# Altium PCB PROC106B.PcbDoc (part 2 of 8) (continued)
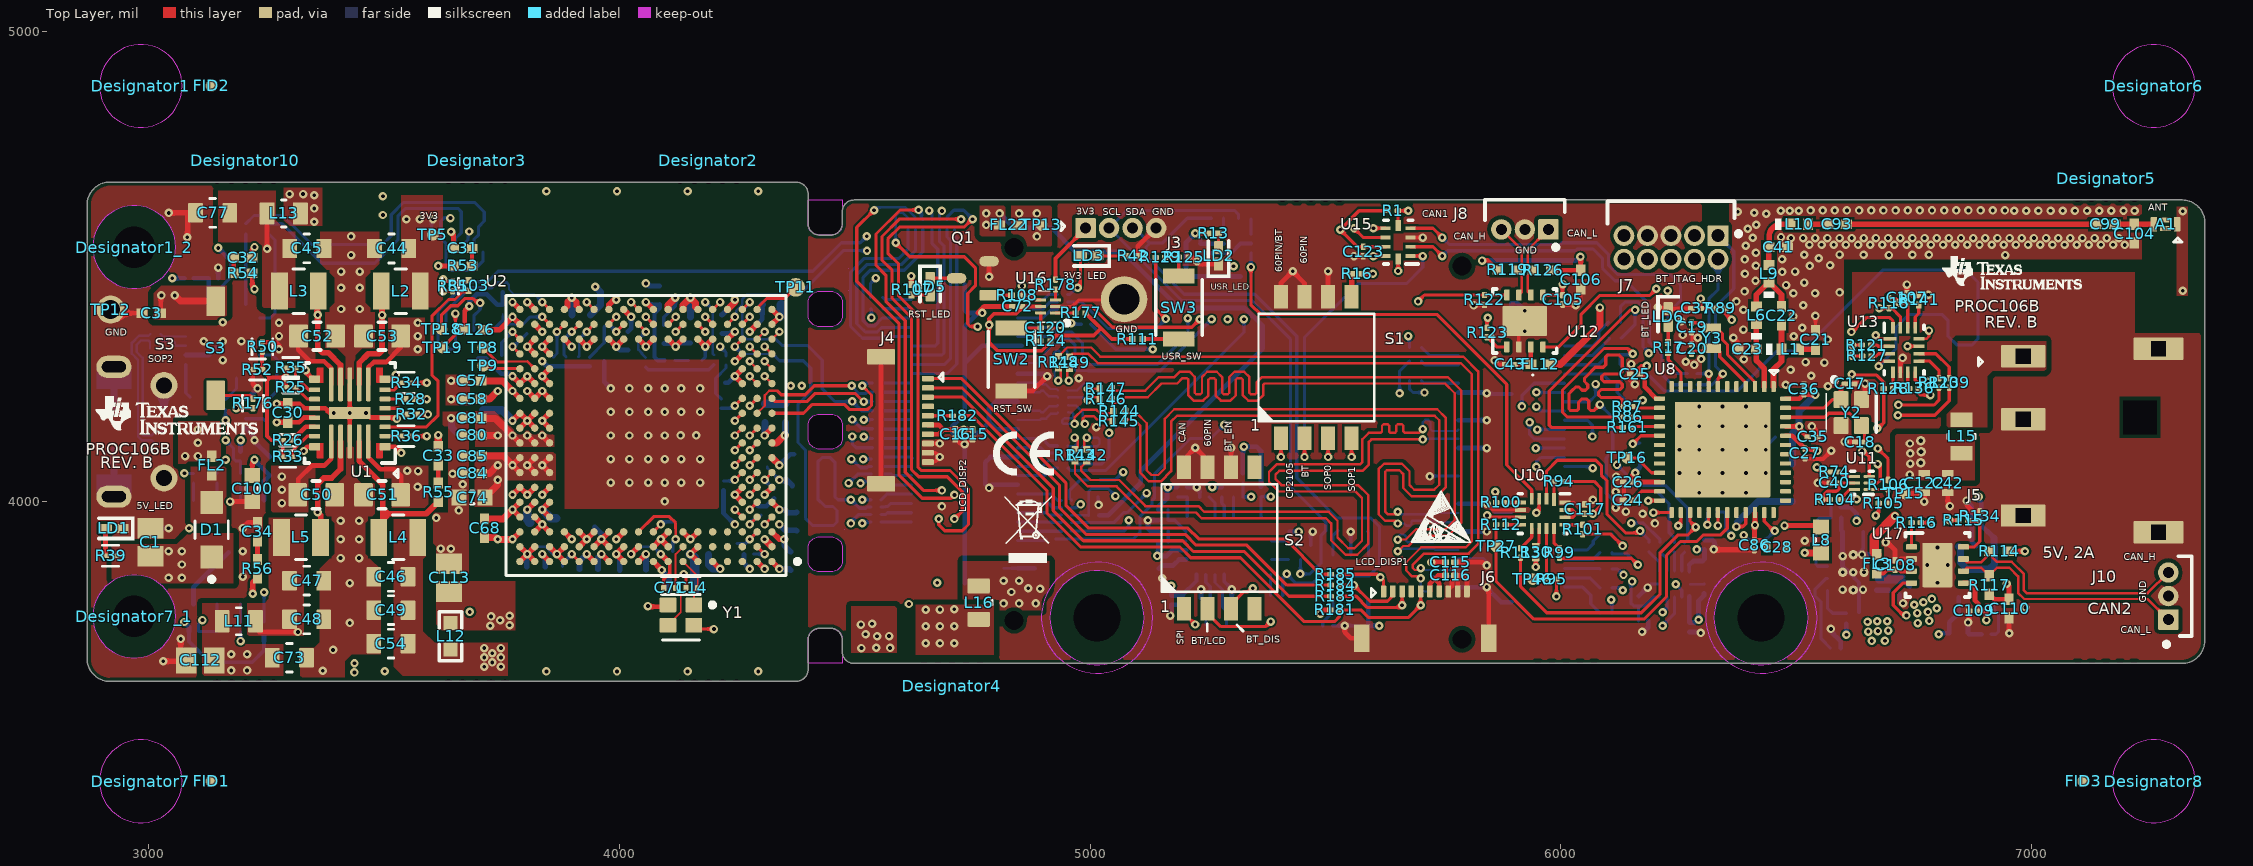
[diagram p0: Top Layer view]
## Part data (continued)
C99 C104: library part CMP-0086306-1, "CAP, CERM, 1.8 pF, 50 V,+/- 6%, C0G/NP0, 0402", Cap_Case=0402, Manufacturer=MuRata, TempCo=C0G/NP0, Tolerance_%=6%, Value2=50V, ValueDisplayed=1.8pF, AEC Category=Q200, AEC Grade=N/A, AEC Qualified=N, Cap_F=1.8pF, ComponentLink1Description="Datasheet link", ComponentLink1URL=https://search.murata.co.jp/Ceramy/image/img/A01X/G101/ENG/GJM1555C1H1R8BB01-01.pdf, CompType=Capacitor, MountType=SMT, PackageReference=0402, PartNumber=GJM1555C1H1R8BB01D, Polarized=N, RoHS=Y, SizeArea_mm2=0.5, SizeAreaWB_mm2=3, SizeX_mm=1, SizeY_mm=0.5, SizeZ_mm=0.6, TaMax_C=125°C, TaMin_C=-55°C, Technology=Ceramic, U/M=EA, VDC_V=50V
C106 C110: library part CMP-0006692-2, "CAP, CERM, 4700 pF, 50 V, +/- 10%, X7R, 0402", Cap_Case=0402, Manufacturer=MuRata, Supplier Part Number 1=490-1308-1-ND, TempCo=X7R, Tolerance_%=10%, Value1=Unknown, Value2=50V, ValueDisplayed=4700pF, AEC Category=Q200, AEC Qualified=?, Cap_F=4.7nF, ComponentLink1Description="Datasheet link", ComponentLink1URL=http://search.murata.co.jp/Ceramy/PnsearchViewAction.do?HnOFG=ON&HnNFG=ON&SEL_CNT=50&sLang=en&sKey=GRM155R71H472KA01D&x=9&y=9&search=startwith, CompType=Capacitor, LatestRevisionDate=2017-03-09, MountType=SMT, PackageReference=0402, PartNumber=GRM155R71H472KA01D, Polarized=N, Published=2008-06-19, Publisher="Texas Instruments", RoHS=Y, SizeArea_mm2=0.5, SizeAreaWB_mm2=3, SizeX_mm=1, SizeY_mm=0.5, SizeZ_mm=0.6, Supplier 1=Digi-Key, Supplier 2=Newark, Supplier 3=Mouser, Supplier Part Number 2=14T3289, Supplier Part Number 3=81-GRM155R71H472KA01, TaMax_C=125°C, TaMin_C=-55°C, Technology=Ceramic, U/M=EA, VDC_V=50V
D1: library part CMP-0090508-1, "Diode Schottky 30V 2A Surface Mount SOD-123FL", Digikey Part Number=NRVB230LSFT1GOSCT-ND, Forward Current=2A, Manufacturer="ON Semiconductor", Max Surge Forward Current=40A, Mouser Part Number=863-NRVB230LSFT1G, Operating Temperature Range="-55°C to +125°C", Peak Reverse Current=1mA, AEC Grade="Grade 1", AEC Qualified=Yes, ComponentLink1Description=Datasheet, ComponentLink1URL=https://www.onsemi.com/pub/Collateral/MBR230LSFT1-D.PDF, DataSheet=https://www.onsemi.com/pub/Collateral/MBR230LSFT1-D.PDF, Datasheet Path=datasheets/Diode-NRVB230LSFT1G.pdf, Digikey Description="DIODE SCHOTTKY 30V 2A SOD123FL", helpURL=https://upverter.com/upn/revision/b5ae5ffadf60f179/, Lead Free=Yes, Mouser Description="Schottky Diodes & Rectifiers 2A 30V SCHOTTKY", PackageReference=SOD-123F, Part Number=NRVB230LSFT1G, PartNumber=NRVB230LSFT1G, RoHS=TRUE, SizeZ_mm=0.98mm, Standoff Height=0mm, TJmax_C=125°C, Vf_V=30V, Vr_V=30V
FID1 FID2 FID3 FID4 FID5 FID6: library part CMP-0077181-1, "Fiducial mark.  There is nothing to buy or mount.", Manufacturer=N/A, ClassName=FiducialMark, CompType=Fiducial, MountType=N/A, PackageReference=N/A, PartNumber=N/A
FL2 FL3 FL12 FL22: library part CMP-0078934-1, "Inductor, Ferrite Bead, Ferrite, 2.2 A, 0.035 ohm, AEC-Q200 Grade 1, SMD", Manufacturer=MuRata, Supplier Part Number 1=490-16506-1-ND, Value1="0.035 ohm", Value2=2.2A, AEC Category=Q200, AEC Grade=1, AEC Qualified=Y, ComponentLink1Description="Datasheet link", ComponentLink1URL=https://www.murata.com/en-us/products/productdata/8796748677150/QNFA9118.pdf, CompType=Inductor, DCR_ohm=0.035, Imax_A=2.2A, LatestRevisionDate=2017-12-07, Material=Ferrite, MountType=SMT, PackageReference=0402, PartNumber=BLM15PD300SZ1D, Published=2008-06-26, Publisher="Texas Instruments", RoHS=Y, SizeArea_mm2=0.5, SizeAreaWB_mm2=3, SizeX_mm=1, SizeY_mm=0.5, SizeZ_mm=0.6, Supplier 1=Digi-Key, Supplier 2=Mouser, Supplier Part Number 2=81-BLM15PD300SZ1D, Technology="Ferrite Bead"
J1: library part CMP-0055293-1, "Connector, Receptacle, Micro-USB Type B, R/A, Bottom Mount SMT", Manufacturer=Molex, Supplier Part Number 1=WM1399CT-ND, CNHeader=FALSE, ComponentLink1Description="Datasheet URL", ComponentLink1URL=http://www.molex.com/pdm_docs/sd/1050170001_sd.pdf, CompType=USB, CT=TRUE, Gender=Female, Green_EU RoHS=Passed, Green_EU RoHS-2=Passed, Green_Lifecycle=Active, Green_REACh=Passed, LatestRevisionDate=26/05/2017, MountType=SMT, PackageReference="Micro USB receptacle", PartNumber=105017-0001, Publisher="Texas Instruments", RoHS=Y, Supplier 1=Digi-Key, Supplier 2=Newark, Supplier 3=Mouser, Supplier Part Number 2=78R1699, Supplier Part Number 3=538-105017-0001
J2 J11: library part CMP-0075524-1, "Receptacle, 0.5 mm, 30x2, Gold, TH", Color=Black, Manufacturer=Samtec, Supplier Part Number 1=SAM8180-ND, CNHeader=False, ComponentLink1Description="Datasheet URL", ComponentLink1URL=http://www.samtec.com/ftppub/cpdf/QSH-XXX-01-X-D-XX-MKT.pdf, CompType=Receptacle, ContactFinish=Gold, CT=False, Gender=Female, Green_EU RoHS="Passed with Exemption", Green_EU RoHS-2=Passed, Green_Lifecycle=Active, Green_REACh=Passed, LatestRevisionDate=2017-07-12, MountType=SMT, Orientation=Vertical, PackageReference="Receptacle, 0.5 mm, 30x2, TH", PartNumber=QSH-030-01-L-D-A, PinCount=60, Pitch_mm=0.5, Publisher="Texas Instruments", RoHS=Y, Row_Count=2, RowSpacing_mm=5.73, Shrouded=N, Supplier 1=Digi-Key, Supplier 2=Newark, Supplier 3=Farnell, Supplier Part Number 2=19M9181, Supplier Part Number 3=1667876
J3: library part CMP-0087187-1, "CONN HDR 1.27MM R/A AU 4POS", Current_A=1A, Manufacturer="Harwin Inc.", ComponentLink1Description=Datasheet, ComponentLink1URL=https://cdn.harwin.com/pdfs/M50-393.pdf, ContactFinish=Gold, PackageReference=HDR4, PartNumber=M50-3930442, PinCount=4, RoHS=TRUE, Row_Count=1, Symbol Name=SYM-M50-3930442
J4 J6: library part CMP-0086453-1, "Easy-On™ Type FFC/FPC Connector, Right-Angle, Surface Mount, ZIF, Bottom Contact Style, 1.10mm Mated Height, 10 Circuits", Manufacturer=Molex, ComponentLink1Description=Datasheet, ComponentLink1URL=http://www.molex.com/pdm_docs/sd/514411093_sd.pdf, PackageReference=CONN_SMD_FFC, PartNumber=51441-1093, RoHS=TRUE, Symbol Name=SYM-51441-1093
J5: library part CMP-0081851-1, "DC Power Jack, R/A, TH", Color=Black, Current_A=5A, Manufacturer="CUI Inc.", Supplier Part Number 1=CP-051AH-ND, Voltage_V=24V, Cert_UL=Y, ComponentLink1Description="Datasheet URL", ComponentLink1URL=https://www.cui.com/product/resource/pj-051ah.pdf, CompType=Jack, Gender=Male, MountType=TH, Orientation=R/A, PackageReference="DC Power Jack, R/A, TH", PartNumber=PJ-051AH, PinCount=3, RoHS=Y, Supplier 1=Digi-Key, Supplier 2=Mouser, Supplier Part Number 2=490-PJ-051AH
J7: library part CMP-0087786-1, "CONN HEADER R/A 10POS 1.27MM", Current_A=1A, Manufacturer=Sullins, ComponentLink1Description=Datasheet, ComponentLink1URL=https://s3.amazonaws.com/catalogspreads-pdf/PAGE94-95%20.050%20MALE%20HDR%20ST%20RA%20SMT.pdf, ContactFinish=Gold, PackageReference=HDR10, PartId=1, PartNumber=GRPB052MWCN-RC, PinCount=10, RoHS=TRUE, Row_Count=2, Symbol Name=SYM-GRPB052MWCN-RC
J8 J10: library part CMP-0087785-1, "CONN HEADER R/A 3POS 1.27MM", Current_A=1A, Manufacturer=Harwin, ComponentLink1Description=Datasheet, ComponentLink1URL=https://cdn.harwin.com/pdfs/M50-393.pdf, ContactFinish=Gold,Nickel, PackageReference=HDR3, PartNumber=M50-3930342, PinCount=3, RoHS=TRUE, Row_Count=1, Symbol Name=SYM-M50-3930342
L1 L6: library part CMP-0058626-1, "Inductor, Multilayer, Air Core, 2.4 nH, 0.3 A, 0.15 ohm, SMD", Manufacturer=MuRata, Supplier Part Number 1=LQG15HS2N4S02D-ND, Value1="0.15 ohm", Value2=0.3A, ValueDisplayed=2.4nH, AEC Category=Q200, AEC Qualified=?, ComponentLink1Description="Datasheet link", ComponentLink1URL=http://search.murata.co.jp/Ceramy/image/img/PDF/ENG/L0075S0083LQG15HS.pdf, CompType=Inductor, DCR_ohm=0.15, Green_EU RoHS=Passed, Green_EU RoHS-2=Incomplete, Green_Lifecycle=Active, Green_REACh=Passed, Imax_A=300mA, Ind_H=2.4nH, Irms="0.3A @ C rise", Isat="0.3A @ % inductance drop", LatestRevisionDate=2017-06-02, Material="Air Core", MountType=SMT, PackageReference="0402 polarized", PartNumber=LQG15HS2N4S02D, Published=2008-06-26, Publisher="Texas Instruments", RoHS=Y, SizeArea_mm2=0.5, SizeAreaWB_mm2=3, SizeX_mm=1, SizeY_mm=0.5, SizeZ_mm=0.55, Supplier 1=Digi-Key, Supplier 2=Mouser, Supplier Part Number 2=81-LQG15HS2N4S02D, Technology=Multilayer
L2 L3 L4 L5: library part CMP-0058944-1, "Inductor, Shielded, 470 nH, 4.7 A, 0.021 ohm, SMD", Manufacturer="MuRata Toko", Value1="0.021 ohm", Value2=4.7A, ValueDisplayed=470nH, AEC Category=Q200, AEC Qualified=?, ComponentLink1Description="Datasheet link", ComponentLink1URL="https://sps06.itg.ti.com/sites/KMS/crossdivteams/altium/docs/ComponentDatasheets/DFE252012PD_Catalouge_20140701 with AEC-Q200.pdf", CompType=Inductor, DCR_ohm=0.021, Imax_A=4.7A, Ind_H=470nH, Irms="4.7A @ 40C rise", Isat="6.1A @ 30% inductance drop", LatestRevisionDate=2017-06-02, Material=?, MountType=SMT, PackageReference=1008, PartNumber=DFE252012PD-R47M, Published=2008-06-26, Publisher="Texas Instruments", RoHS=Y, SizeArea_mm2=5, SizeAreaWB_mm2=10.5, SizeX_mm=2.5, SizeY_mm=2, SizeZ_mm=1.2, Technology=Shielded
L7: library part CMP-0062727-1, "Inductor, Multilayer, Ferrite, 6.8 uH, 0.11 A, 0.25 ohm, SMD", Manufacturer=TDK, Supplier Part Number 1=445-6761-1-ND, Value1="0.25 ohm", Value2=0.11A, ValueDisplayed=6.8uH, AEC Category=Q200, AEC Qualified=?, ComponentLink1Description="Datasheet link", ComponentLink1URL=http://product.tdk.com/en/catalog/datasheets/inductor_commercial_decoupling_mlz_en.pdf, CompType=Inductor, DCR_ohm=0.25, Green_EU RoHS=Passed, Green_EU RoHS-2=Incomplete, Green_Lifecycle=Active, Green_REACh=Passed, Imax_A=110mA, Ind_H=6.8µH, Irms="0.55A @ 20C rise", Isat="0.11A @ 50% inductance drop", LatestRevisionDate=2017-06-02, Material=Ferrite, MountType=SMT, PackageReference=0805, PartNumber=MLZ2012N6R8LT000, Published=2008-06-26, Publisher="Texas Instruments", RoHS=Y, SizeArea_mm2=2.5, SizeAreaWB_mm2=6.75, SizeX_mm=2, SizeY_mm=1.25, SizeZ_mm=1.45, Supplier 1=Digi-Key, Technology=Multilayer
L8: library part CMP-0003349-2, "Ferrite Bead, 1500 ohm @ 100 MHz, 0.5 A, 0603", Manufacturer=MuRata, Supplier Part Number 1=490-5216-1-ND, Value1="0.5 ohm", Value2=0.5A, ValueDisplayed="1500 ohm", ComponentLink1Description="Datasheet link", ComponentLink1URL=http://search.murata.co.jp/Ceramy/image/img/PDF/ENG/L0110S0101BLM18H.pdf, CompType="Ferrite Bead", DCR_ohm=0.5, Imax_A=500mA, LatestRevisionDate=2017-03-09, MountType=SMT, PackageReference=0603, PartNumber=BLM18HE152SN1D, Published=2014-04-30, Publisher="Texas Instruments", RoHS=Y, SizeArea_mm2=1.28, SizeAreaWB_mm2=4.68, SizeX_mm=1.6, SizeY_mm=0.8, SizeZ_mm=1, Supplier 1=Digi-Key, Supplier 2=Newark, Supplier 3=Mouser, Supplier Part Number 2=87X8574, Supplier Part Number 3=81-BLM18HE152SN1D, Ztyp@1GHz_Ohm=1.5k, ZTyp@100MHz_Ohm=1.5k
L9 L10: library part CMP-0058624-1, "Inductor, Multilayer, Air Core, 2 nH, 0.3 A, 0.1 ohm, SMD", Manufacturer=MuRata, Supplier Part Number 1=490-6569-1-ND, Value1="0.1 ohm", Value2=0.3A, ValueDisplayed=2nH, AEC Category=Q200, AEC Qualified=?, ComponentLink1Description="Datasheet link", ComponentLink1URL=http://search.murata.co.jp/Ceramy/image/img/PDF/ENG/L0075S0083LQG15HS.pdf, CompType=Inductor, DCR_ohm=0.1, Green_EU RoHS=Passed, Green_EU RoHS-2=Incomplete, Green_Lifecycle=Active, Green_REACh=Passed, Imax_A=300mA, Ind_H=2nH, Irms="0.3A @ C rise", Isat="0.3A @ % inductance drop", LatestRevisionDate=2017-06-02, Material="Air Core", MountType=SMT, PackageReference="0402 polarized", PartNumber=LQG15HS2N0S02D, Published=2008-06-26, Publisher="Texas Instruments", RoHS=Y, SizeArea_mm2=0.5, SizeAreaWB_mm2=3, SizeX_mm=1, SizeY_mm=0.5, SizeZ_mm=0.55, Supplier 1=Digi-Key, Supplier 2=Mouser, Supplier Part Number 2=81-LQG15HS2N0S02D, Technology=Multilayer
L11 L13 L15 L16: library part CMP-0089947-1, "100 Ohms @ 100MHz 1 Power Line Ferrite Bead 0805 (2012 Metric) 4A 20mOhm", Digikey Part Number=445-172903-1-ND, Impedance At Frequency="100O @ 100MHz", Manufacturer=TDK, Mouser Part Number=810-MPZ2012S101ATD25, Operating Temperature Range="-55°C to +125°C", Test Frequency=100MHz, Tolerance_%=25%, AEC Grade="Grade 1", AEC Qualified=Yes, ComponentLink1Description=Datasheet, ComponentLink1URL=https://product.tdk.com/info/en/catalog/datasheets/beads_automotive_power_mpz2012_en.pdf, DataSheet=https://product.tdk.com/info/en/catalog/datasheets/beads_automotive_power_mpz2012_en.pdf, Datasheet Path=datasheets/FBead-MPZ2012S101ATD25.pdf, DCR_ohm=0.02, Digikey Description="FERRITE BEAD 100 OHM 0805 1LN", helpURL=https://upverter.com/upn/revision/572b4800072287ce/, Imax_A=4A, Lead Free=Yes, Material=Ferrite, Mouser Description="Ferrite Beads 0805 100ohms@100MHz 4.0A AEC-Q200", PackageReference=0805, Part Number=MPZ2012S101ATD25, PartNumber=MPZ2012S101ATD25, RoHS=TRUE, SizeZ_mm=1.05mm, Supplier 1=Digikey, Supplier 2=Mouser, Supplier Part Number 1=445-172903-1-ND, Supplier Part Number 2=810-MPZ2012S101ATD25
L12 L14: library part CMP-0077879-1, "Ferrite Bead, 120 ohm @ 100 MHz, 1.9 A, 0603", Manufacturer=MuRata, Supplier Part Number 1=490-13261-1-ND, Value1="0.04 ohm", Value2=1.9A, ValueDisplayed="120 ohm", ComponentLink1Description="Datasheet link", ComponentLink1URL=http://www.murata.com/en-global/products/productdata/8796737273886/QNFA9101.pdf, CompType="Ferrite Bead", DCR_ohm=0.04, Imax_A=1.9A, MountType=SMT, PackageReference=0603, PartNumber=BLM18KG121TH1D, RoHS=Y, SizeArea_mm2=1.28, SizeAreaWB_mm2=4.68, SizeX_mm=1.6, SizeY_mm=0.8, SizeZ_mm=1.0, Supplier 1=Digi-Key, Supplier 2=Mouser, Supplier Part Number 2=81-BLM18KG121TH1D, ZTyp@100MHz_Ohm=120
LD1 LD2 LD3 LD4 LD5 LD6: library part CMP-0067682-2, "LED, Green, SMD", Color=Green, Manufacturer=Kingbright, Power_TotalModule=75mW, Value1=0.075W, Value2=2.1V, Angle=120.0, ComponentLink1Description="Datasheet link", ComponentLink1URL=http://www.kingbrightusa.com/images/catalog/SPEC/APHHS1005CGCK.pdf, CompType=LED, Io_A=20mA, Ir_A=10µA, MountType=SMT, PackageReference=0402, PartNumber=APHHS1005CGCK, RoHS=Y, SizeArea_mm2=0.5, SizeAreaWB_mm2=3.0, SizeX_mm=1.0, SizeY_mm=0.5, SizeZ_mm=0.6, TJmax_C=85°C, TYPE=?, Vf_V=2.1V, Vr_V=5V
Q1: library part CMP-0087176-1, "MOSFET N-CH 100V 170MA SOT23-3", Manufacturer="Diodes Incorporated", AEC Qualified=No, ChMode=False, ComponentLink1Description=Datasheet, ComponentLink1URL=https://www.diodes.com/assets/Datasheets/ds30366.pdf, IdsMax_A=170mA, PackageReference=SOT23, PartNumber=BSS123-7-F, Rdson45_ohm=6, RoHS=TRUE, SizeZ_mm=1.1mm, Symbol Name=SYM-BSS123-7-F, VdsMax_V=100V, Vgs_V=20V
R1 R18 R20 R77 R78 R80 R81 R82 R93 R94 R95 R96 R98 R104 R110 R118 R122 R124 R125 R134 R177 R178: library part CMP-0088002-1, "10 kOhms ±0.5% 0.05W, 1/20W Chip Resistor 0201 (0603 Metric)  Thin Film", Manufacturer=Susumu, Power_W=50mW, TempCo=25ppm/°C, Tolerance_%=0.5%, AEC Qualified=No, ComponentLink1Description=Datasheet, ComponentLink1URL=https://www.susumu.co.jp/common/pdf/n_catalog_partition05_en.pdf, PackageReference=0201, PartNumber=RR0306P-103-D, Res_ohm=10k, RoHS=TRUE, SizeZ_mm=0.26mm, Symbol Name=SYM-RR0306P-103-D, Technology="Thin Film", VDC_V=15V
R2 R28 R31 R32 R41 R60 R61 R62 R63 R103: library part CMP-0065361-1, "RES, 0, 5%, .05 W, AEC-Q200 Grade 0, 0201", Manufacturer=Panasonic, Power_W=50mW, Supplier Part Number 1=P15979CT-ND, TempCo=ppm/C, Tolerance_%=5%, Value2=.05W, Value_Code=0000, ValueDisplayed=0, AEC Category=Q200, AEC Grade=0, AEC Qualified=Y, ComponentLink1Description="Datasheet link", ComponentLink1URL=https://industrial.panasonic.com/cdbs/www-data/pdf/RDA0000/AOA0000C281.pdf, CompType=Resistor, EIA_Code=E24, Green_EU RoHS=Incomplete, Green_EU RoHS-2=Incomplete, Green_Lifecycle="Not Set", Green_REACh=Incomplete, LatestRevisionDate=2017-06-05, MountType=SMT, PackageReference=0201, PartNumber=ERJ-1GN0R00C, Published=2016-10-14, Publisher="Texas Instruments", Res_ohm=0, RoHS=Y, SizeArea_mm2=0.18, SizeX_mm=0.6, SizeY_mm=0.3, SizeZ_mm=0.26, Supplier 1=Digi-Key, Supplier 2=Newark, Supplier 3=Mouser, Supplier Part Number 2=51W5934, Supplier Part Number 3=667-ERJ-1GN0R00C, Technology="Thick Film", U/M=EA, Value1=5%
R3 R7 R8 R19 R21 R22 R23 R35 R36 R43 R44 R45 R59 R65 R83 R84 R85: library part CMP-0090084-1, "RES SMD 10K OHM 0.1% 1/20W 0201", Digikey Part Number=P10KBXCT-ND, Manufacturer=Panasonic, Mouser Part Number=667-ERA-1AEB103C, Operating Temperature Range="-55°C to +155°C", Power_W=50mW, TempCo=25ppm/°C, Tolerance_%=0.1%, AEC Qualified=No, ComponentLink1Description=Datasheet, ComponentLink1URL=https://industrial.panasonic.com/cdbs/www-data/pdf/RDM0000/AOA0000C307.pdf, DataSheet=https://industrial.panasonic.com/cdbs/www-data/pdf/RDM0000/AOA0000C307.pdf, Datasheet Path=datasheets/Res-ERA-1AEB103C.pdf, Digikey Description="RES SMD 10K OHM 0.1% 1/20W 0201", helpURL=https://upverter.com/upn/revision/ad75fa42d92ba837/, Lead Free=Yes, PackageReference=0201, Part Number=ERA-1AEB103C, PartNumber=ERA-1AEB103C, Res_ohm=10k, RoHS=TRUE, Series=ERA, SizeZ_mm=0.26mm, Supplier 1=Digikey, Supplier 2=Mouser, Supplier Part Number 1=P10KBXCT-ND, Supplier Part Number 2=667-ERA-1AEB103C, Technology="Thin Film", VDC_V=25V
R4 R5 R9 R37: library part CMP-0090298-1, "100 kOhms ±1% 0.05W, 1/20W Chip Resistor 0201 (0603 Metric) Automotive AEC-Q200 Thick Film", Digikey Part Number=P122655CT-ND, Manufacturer="Panasonic Electronic Components", Mouser Part Number=667-ERJ-1GNF1003C, Operating Temperature Range="-55°C to +125°C", Power_W=50mW, TempCo=200ppm/°C, Tolerance_%=1%, AEC Grade="Grade 1", AEC Qualified=Yes, ComponentLink1Description=Datasheet, ComponentLink1URL=https://industrial.panasonic.com/cdbs/www-data/pdf/RDA0000/AOA0000C304.pdf, DataSheet=https://industrial.panasonic.com/cdbs/www-data/pdf/RDA0000/AOA0000C304.pdf, Datasheet Path=datasheets/Res-ERJ-1GNF1003C.pdf, Digikey Description="RES SMD 100K OHM 1% 1/20W 0201", helpURL=https://upverter.com/upn/revision/52b354a5d57be433/, Lead Free=Yes, Mouser Description="Thick Film Resistors 0201 100Kohm 1% HalogenFree AEC-Q200", PackageReference=0201, Part Number=ERJ-1GNF1003C, PartNumber=ERJ-1GNF1003C, Res_ohm=100k, RoHS=TRUE, Series=ERJ, SizeZ_mm=0.26mm, Supplier 1=Digikey, Supplier 2=Mouser, Supplier Part Number 1=P122655CT-ND, Supplier Part Number 2=667-ERJ-1GNF1003C, Technology="Thick Film", VDC_V=25V
R6 R46 R47 R48 R49: library part CMP-0089575-2, "Res Thick Film 0201 33.2 Ohm 1% 0.05W(1/20W) ±200ppm/C Pad SMD Automotive T/R", Digikey Part Number=P122945CT-ND, Manufacturer=Panasonic, Mouser Part Number=667-ERJ-1GNF33R2C, Operating Temperature Range="-55°C to +125°C", Power_W=50mW, TempCo=200ppm/°C, Tolerance_%=1%, AEC Grade="Grade 1", AEC Qualified=Yes, ComponentLink1Description=Datasheet, ComponentLink1URL=https://industrial.panasonic.com/cdbs/www-data/pdf/RDA0000/AOA0000C304.pdf, DataSheet=https://industrial.panasonic.com/cdbs/www-data/pdf/RDA0000/AOA0000C304.pdf, Datasheet Path=datasheets/Res-ERJ-1GNF33R2C.pdf, Digikey Description="RES SMD 33.2 OHM 1% 1/20W 0201", helpURL=https://upverter.com/upn/revision/804e6f7ea13c6b2c/, Lead Free=Yes, Mouser Description="Thick Film Resistors - SMD 0201 33.2ohm 1% HalogenFree AEC-Q200", PackageReference=0201, Part Number=ERJ-1GNF33R2C, PartNumber=ERJ-1GNF33R2C, Res_ohm=33.2, RoHS=TRUE, Series=ERJ, SizeZ_mm=0.26mm, Supplier 1=Digikey, Supplier 2=Mouser, Supplier Part Number 1=P122945CT-ND, Supplier Part Number 2=667-ERJ-1GNF33R2C, Technology="Thick Film", VDC_V=25V
R10 R11 R88 R130 R132 R133 R135 R137 R138 R140: library part CMP-0087185-1, "RES SMD 20 OHM 1% 1/20W 0201", Manufacturer=Yageo, Power_W=50mW, TempCo=200ppm/°C, Tolerance_%=1%, AEC Grade="Grade 0", AEC Qualified=Yes, ComponentLink1Description=Datasheet, ComponentLink1URL=http://www.yageo.com/NewPortal/yageodocoutput?fileName=/pdf/R-Chip/PYu-AC_51_RoHS_L_6.pdf, PackageReference=0201, PartNumber=AC0201FR-0720RL, Res_ohm=20, RoHS=TRUE, SizeZ_mm=0.26mm, Symbol Name=SYM-AC0201FR-0720RL, Technology="Thick Film", VDC_V=25V
R12 R14 R30 R51 R57 R58 R66 R67 R68 R70 R71 R72 R73 R74 R76 R86 R87 R90 R91 R97 R99 R100 R101 R102 R105 R106 R112 R113 R115 R116 R120 R121 R123 R127 R128 R129 R131 R136 R139 R142 R143 R144 R145 R146 R147 R148 R149 R150 R151 R152 R153 R154 R155 R157 R160 R161 R166 R168 R182 R183 R184 R185 R186 R187 R188 R189 R190: library part CMP-0086442-2, "RES SMD 0 OHM JUMPER 1/20W 0201", Manufacturer=Yageo, Power_W=50mW, TempCo=200ppm/°C, Tolerance_%=5%, AEC Qualified=No, ComponentLink1Description=Datasheet, ComponentLink1URL=http://www.yageo.com/documents/recent/PYu-RC_Group_51_RoHS_L_10.pdf, PackageReference="0201 (0603 Metric)", PartNumber=RC0201JR-070RL, Res_ohm=0, RoHS=TRUE, SizeZ_mm=0.26mm, Technology="Thick Film", VDC_V=25V
R13 R17 R42 R111: library part CMP-0027072-1, "RES, 220, 5%, 0.05 W, 0201", Manufacturer="Yageo America", Power_W=50mW, Supplier Part Number 1=311-220NCT-ND, TempCo="200 ppm/C", Tolerance_%=5%, Value2=0.05W, Value_Code=220R, ValueDisplayed=220, AEC Category=Q200, AEC Grade=N/A, AEC Qualified=N, ComponentLink1Description="Datasheet link", ComponentLink1URL=http://www.yageo.com/documents/recent/PYu-RC_Group_51_RoHS_L_5.pdf, CompType=Resistor, EIA_Code=E24, LatestRevisionDate=2017-03-09, MountType=SMT, PackageReference=0201, PartNumber=RC0201JR-07220RL, Published=2016-10-14, Publisher="Texas Instruments", Res_ohm=220, RoHS=Y, SizeArea_mm2=0.18, SizeX_mm=0.6, SizeY_mm=0.3, SizeZ_mm=0.26, Supplier 1=Digi-Key, Supplier 2=Mouser, Supplier Part Number 2=603-RC0201JR-07220RL, Technology="Thick Film", U/M=EA, Value1=5%, VDC_V=25V
R15: library part CMP-0090501-1, "220 Ohms ±5% 0.05W, 1/20W Chip Resistor 0201 (0603 Metric) Automotive AEC-Q200 Thick Film", Digikey Part Number=P123276CT-ND, Manufacturer="Panasonic Electronic Components", Mouser Part Number=667-ERJ-1GNJ221C, Operating Temperature Range="-55°C to +125°C", Power_W=50mW, TempCo=200ppm/°C, Tolerance_%=5%, AEC Grade="Grade 1", AEC Qualified=Yes, ComponentLink1Description=Datasheet, ComponentLink1URL=https://industrial.panasonic.com/cdbs/www-data/pdf/RDA0000/AOA0000C301.pdf, DataSheet=https://industrial.panasonic.com/cdbs/www-data/pdf/RDA0000/AOA0000C301.pdf, Datasheet Path=datasheets/Res-ERJ-1GNJ221C.pdf, Digikey Description="RES SMD 220 OHM 5% 1/20W 0201", helpURL=https://upverter.com/upn/revision/fb526d048c4bdd68/, Lead Free=Yes, Mouser Description="Thick Film Resistors - SMD 0201 220ohms 5% Thick Film Resistor", PackageReference=0201, Part Number=ERJ-1GNJ221C, PartNumber=ERJ-1GNJ221C, Res_ohm=220, RoHS=TRUE, Series=ERJ, SizeZ_mm=0.26mm, Supplier 1=Digikey, Supplier 2=Mouser, Supplier Part Number 1=P123276CT-ND, Supplier Part Number 2=667-ERJ-1GNJ221C, Technology="Thick Film", VDC_V=25V
R16: library part CMP-0027880-1, "RES, 7.87 k, 1%, 0.05 W, 0201", Manufacturer="Yageo America", Power_W=50mW, Supplier Part Number 1=YAG2807CT-ND, TempCo="200 ppm/C", Tolerance_%=1%, Value2=0.05W, Value_Code=7k87, ValueDisplayed=7.87k, AEC Category=Q200, AEC Grade=N/A, AEC Qualified=N, ComponentLink1Description="Datasheet link", ComponentLink1URL=http://www.yageo.com/documents/recent/PYu-RC_Group_51_RoHS_L_5.pdf, CompType=Resistor, EIA_Code=E96, LatestRevisionDate=2017-03-09, MountType=SMT, PackageReference=0201, PartNumber=RC0201FR-077K87L, Published=2016-10-14, Publisher="Texas Instruments", Res_ohm=7.87k, RoHS=Y, SizeArea_mm2=0.18, SizeX_mm=0.6, SizeY_mm=0.3, SizeZ_mm=0.26, Supplier 1=Digi-Key, Supplier 2=Mouser, Supplier Part Number 2=603-RC0201FR-077K87L, Technology="Thick Film", U/M=EA, Value1=1%, VDC_V=25V
R24: library part CMP-0087183-1, "RES SMD 200 OHM 1% 1/5W 0402", Manufacturer="Vishay Dale", Power_W=200mW, TempCo=100ppm/°C, Tolerance_%=1%, AEC Grade="Grade 0", AEC Qualified=Yes, ComponentLink1Description=Datasheet, ComponentLink1URL=http://www.vishay.com/docs/20043/crcwhpe3.pdf, PackageReference=0402, PartNumber=CRCW0402200RFKEDHP, Res_ohm=200, RoHS=TRUE, SizeZ_mm=0.4mm, Symbol Name=SYM-CRCW0402200RFKEDHP, Technology="Thick Film", VDC_V=50V
R25 R26 R33 R34 R40 R64: library part CMP-0090497-1, "4.99 kOhms ±1% 0.05W, 1/20W Chip Resistor 0201 (0603 Metric) Automotive AEC-Q200 Thick Film", Digikey Part Number=P123046CT-ND, Manufacturer="Panasonic Electronic Components", Mouser Part Number=667-ERJ-1GNF4991C, Operating Temperature Range="-55°C to +125°C", Power_W=50mW, TempCo=200ppm/°C, Tolerance_%=1%, AEC Grade="Grade 1", AEC Qualified=Yes, ComponentLink1Description=Datasheet, ComponentLink1URL=https://industrial.panasonic.com/cdbs/www-data/pdf/RDA0000/AOA0000C304.pdf, DataSheet=https://industrial.panasonic.com/cdbs/www-data/pdf/RDA0000/AOA0000C304.pdf, Datasheet Path=datasheets/Res-ERJ-1GNF4991C.pdf, Digikey Description="RES SMD 4.99K OHM 1% 1/20W 0201", helpURL=https://upverter.com/upn/revision/2e32c60b077f8dd5/, Lead Free=Yes, Mouser Description="Thick Film Resistors - SMD 0201 4.99Kohm 1% HalogenFree AEC-Q200", PackageReference=0201, Part Number=ERJ-1GNF4991C, PartNumber=ERJ-1GNF4991C, Res_ohm=4.99k, RoHS=TRUE, Series=ERJ, SizeZ_mm=0.26mm, Supplier 1=Digikey, Supplier 2=Mouser, Supplier Part Number 1=P123046CT-ND, Supplier Part Number 2=667-ERJ-1GNF4991C, Technology="Thick Film", VDC_V=25V
R27 R107 R108: library part CMP-0027137-1, "RES, 510, 5%, 0.05 W, 0201", Manufacturer="Yageo America", Power_W=50mW, Supplier Part Number 1=YAG2907CT-ND, TempCo="200 ppm/C", Tolerance_%=5%, Value2=0.05W, Value_Code=510R, ValueDisplayed=510, AEC Category=Q200, AEC Grade=N/A, AEC Qualified=N, ComponentLink1Description="Datasheet link", ComponentLink1URL=http://www.yageo.com/documents/recent/PYu-RC_Group_51_RoHS_L_5.pdf, CompType=Resistor, EIA_Code=E24, LatestRevisionDate=2017-03-09, MountType=SMT, PackageReference=0201, PartNumber=RC0201JR-07510RL, Published=2016-10-14, Publisher="Texas Instruments", Res_ohm=510, RoHS=Y, SizeArea_mm2=0.18, SizeX_mm=0.6, SizeY_mm=0.3, SizeZ_mm=0.26, Supplier 1=Digi-Key, Supplier 2=Mouser, Supplier Part Number 2=603-RC0201JR-07510RL, Technology="Thick Film", U/M=EA, Value1=5%, VDC_V=25V
R29 R89 R92: library part CMP-0027261-3, "RES, 100 k, 1%, 0.05 W, 0201", Manufacturer=Vishay-Dale, Power_W=50mW, Supplier Part Number 1=541-100KAABCT-ND, TempCo="100 ppm/C", Tolerance_%=1%, Value2=0.05W, Value_Code=100k, AEC Category=Q200, AEC Grade=N/A, AEC Qualified=N, ComponentLink1Description="Datasheet link", ComponentLink1URL=http://www.vishay.com/docs/20052/crcw0201e3.pdf, CompType=Resistor, EIA_Code=E96, MountType=SMT, PackageReference=0201, PartNumber=CRCW0201100KFKED, Res_ohm=100k, RoHS=E, SizeArea_mm2=0.18, SizeX_mm=0.6, SizeY_mm=0.3, SizeZ_mm=0.26, Supplier 1=Digi-Key, Supplier 2=Newark, Supplier 3=Mouser, Supplier Part Number 2=84R1457, Supplier Part Number 3=71-CRCW0201100KFKED, Technology="Thick Film", Value1=1%, ValueDisplayed=100k, VDC_V=30V
R38 R69 R141: library part CMP-0027745-1, "RES, 4.99 k, 1%, 0.05 W, 0201", Manufacturer="Yageo America", Power_W=50mW, Supplier Part Number 1=YAG2712CT-ND, TempCo="200 ppm/C", Tolerance_%=1%, Value2=0.05W, Value_Code=4k99, ValueDisplayed=4.99k, AEC Category=Q200, AEC Grade=N/A, AEC Qualified=N, ComponentLink1Description="Datasheet link", ComponentLink1URL=http://www.yageo.com/documents/recent/PYu-RC_Group_51_RoHS_L_5.pdf, CompType=Resistor, EIA_Code=E96, LatestRevisionDate=2017-03-09, MountType=SMT, PackageReference=0201, PartNumber=RC0201FR-074K99L, Published=2016-10-14, Publisher="Texas Instruments", Res_ohm=4.99k, RoHS=Y, SizeArea_mm2=0.18, SizeX_mm=0.6, SizeY_mm=0.3, SizeZ_mm=0.26, Supplier 1=Digi-Key, Supplier 2=Mouser, Supplier Part Number 2=603-RC0201FR-074K99L, Technology="Thick Film", U/M=EA, Value1=1%, VDC_V=25V
R39: library part CMP-0090502-1, "510 Ohms ±5% 0.05W, 1/20W Chip Resistor 0201 (0603 Metric) Automotive AEC-Q200 Thick Film", Digikey Part Number=P123339CT-ND, Manufacturer="Panasonic Electronic Components", Mouser Part Number=667-ERJ-1GNJ511C, Operating Temperature Range="-55°C to +125°C", Power_W=50mW, TempCo=200ppm/°C, Tolerance_%=5%, AEC Grade="Grade 1", AEC Qualified=Yes, ComponentLink1Description=Datasheet, ComponentLink1URL=https://industrial.panasonic.com/cdbs/www-data/pdf/RDA0000/AOA0000C301.pdf, DataSheet=https://industrial.panasonic.com/cdbs/www-data/pdf/RDA0000/AOA0000C301.pdf, Datasheet Path=datasheets/Res-ERJ-1GNJ511C.pdf, Digikey Description="RES SMD 510 OHM 5% 1/20W 0201", helpURL=https://upverter.com/upn/revision/5c2df3b7f61172b7/, Lead Free=Yes, Mouser Description="Res Thick Film 0201 510 Ohm 5% 0.05W(1/20W) ±200ppm/C Pad SMD Automotive T/R", PackageReference=0201, Part Number=ERJ-1GNJ511C, PartNumber=ERJ-1GNJ511C, Res_ohm=510, RoHS=TRUE, Series=ERJ, SizeZ_mm=0.26mm, Supplier 1=Digikey, Supplier 2=Mouser, Supplier Part Number 1=P123339CT-ND, Supplier Part Number 2=667-ERJ-1GNJ511C, Technology="Thick Film", VDC_V=25V
R50 R75: library part CMP-0090500-1, "1 kOhms ±5% 0.05W, 1/20W Chip Resistor 0201 (0603 Metric) Automotive AEC-Q200 Thick Film", Digikey Part Number=P123221CT-ND, Manufacturer="Panasonic Electronic Components", Mouser Part Number=667-ERJ-1GNJ102C, Operating Temperature Range="-55°C to +125°C", Power_W=50mW, TempCo=200ppm/°C, Tolerance_%=5%, AEC Grade="Grade 1", AEC Qualified=Yes, ComponentLink1Description=Datasheet, ComponentLink1URL=http://industrial.panasonic.com/www-cgi/jvcr13pz.cgi?E+PZ+3+AOA0002+ERJ1GNJ102C+7+WW, DataSheet=http://industrial.panasonic.com/www-cgi/jvcr13pz.cgi?E+PZ+3+AOA0002+ERJ1GNJ102C+7+WW, Datasheet Path=datasheets/Res-ERJ-1GNJ102C.pdf, Digikey Description="RES SMD 1K OHM 5% 1/20W 0201", helpURL=https://upverter.com/upn/revision/53a311929d77a537/, Lead Free=Yes, Mouser Description="Thick Film Resistors - SMD 0201 1Kohm 5% HalogenFree AEC-Q200", PackageReference=0201, Part Number=ERJ-1GNJ102C, PartNumber=ERJ-1GNJ102C, Res_ohm=1k, RoHS=TRUE, Series=ERJ, SizeZ_mm=0.26mm, Supplier 1=Digikey, Supplier 2=Mouser, Supplier Part Number 1=P123221CT-ND, Supplier Part Number 2=667-ERJ-1GNJ102C, Technology="Thick Film", VDC_V=25V